# Altium PCB PCB1.PcbDoc
Units mil, origin at the board's own origin, x right, y up, seen from the top; angles counter-clockwise.
Board outline 2680 x 2185 mil, 2 copper layers (Top Layer, Bottom Layer); 16 components, 45 nets, 106 pads, 48 vias.
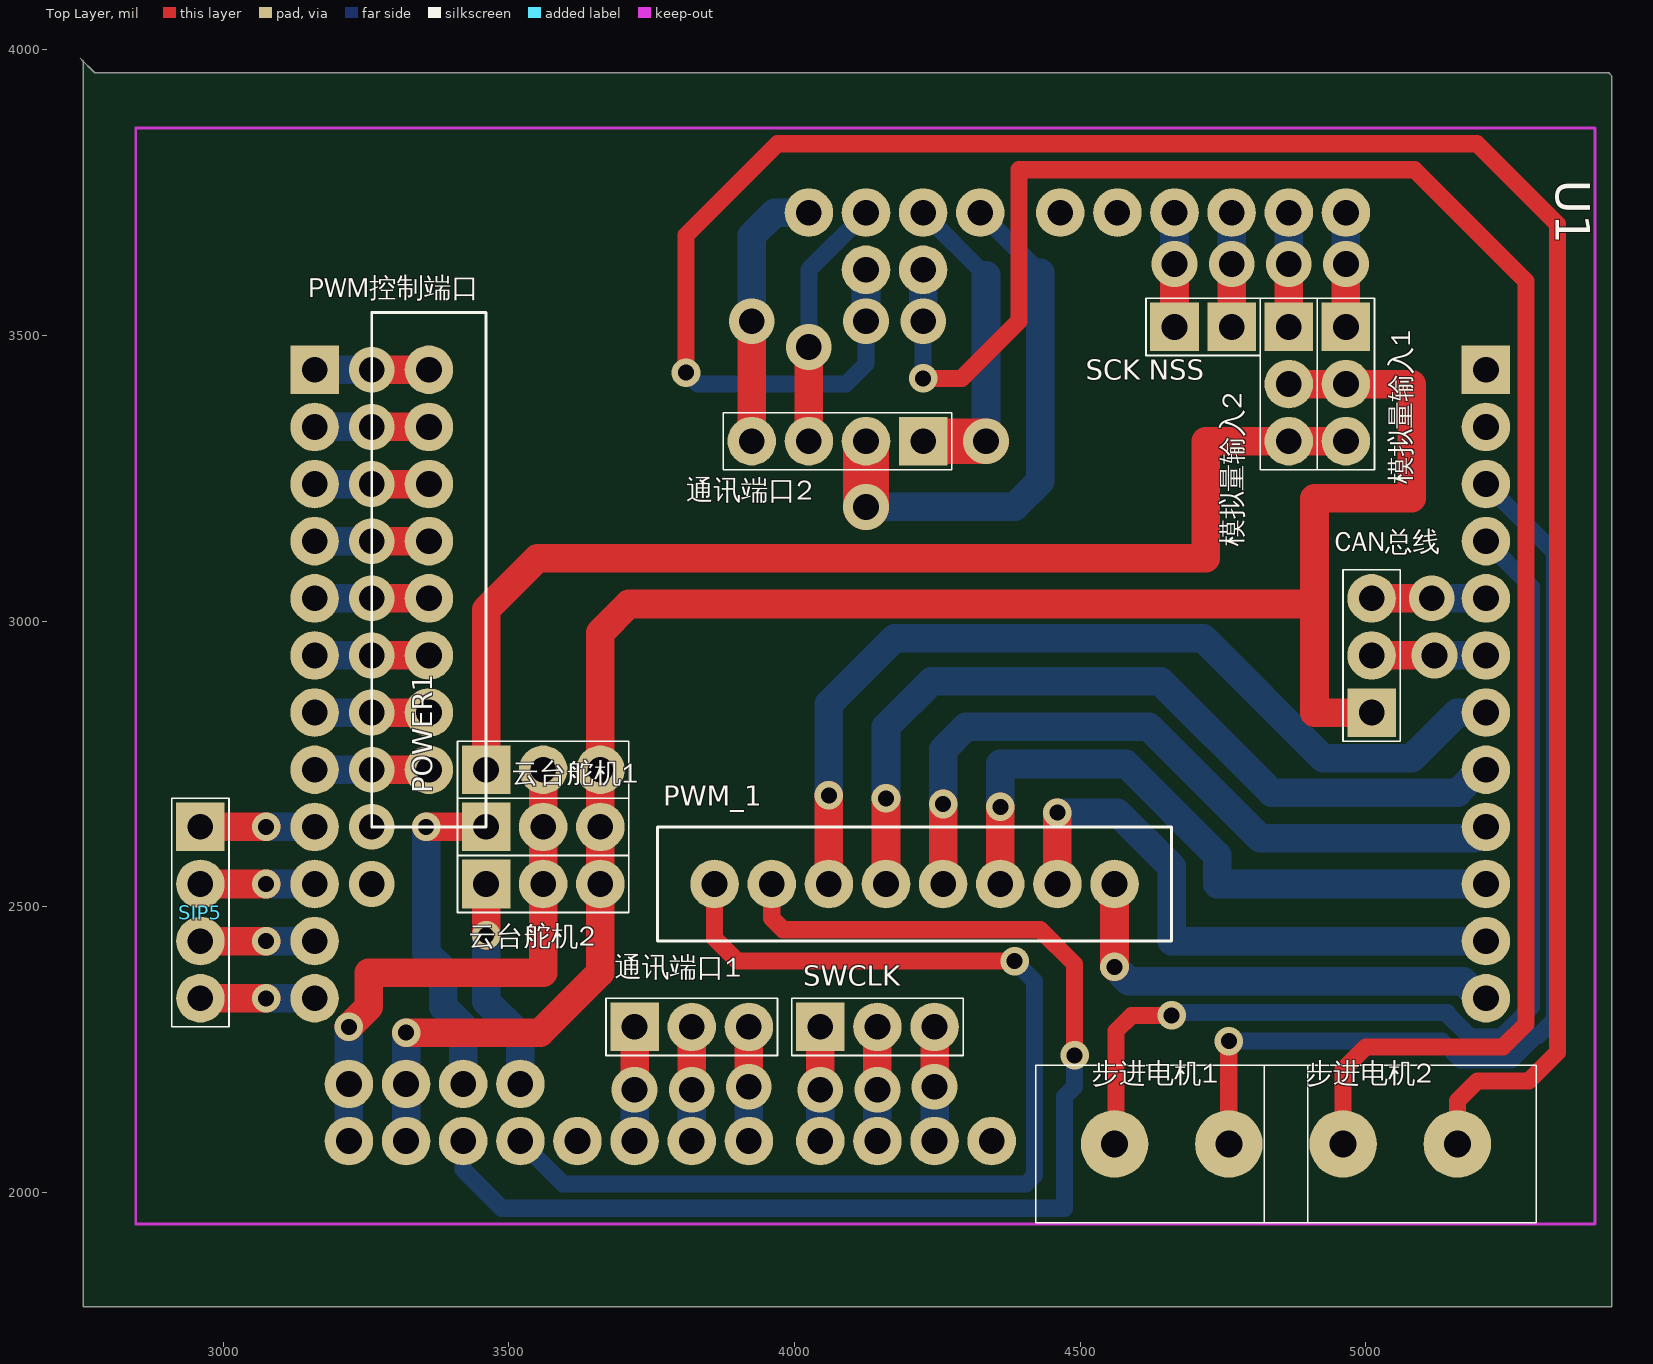
[diagram p0: Top Layer view]
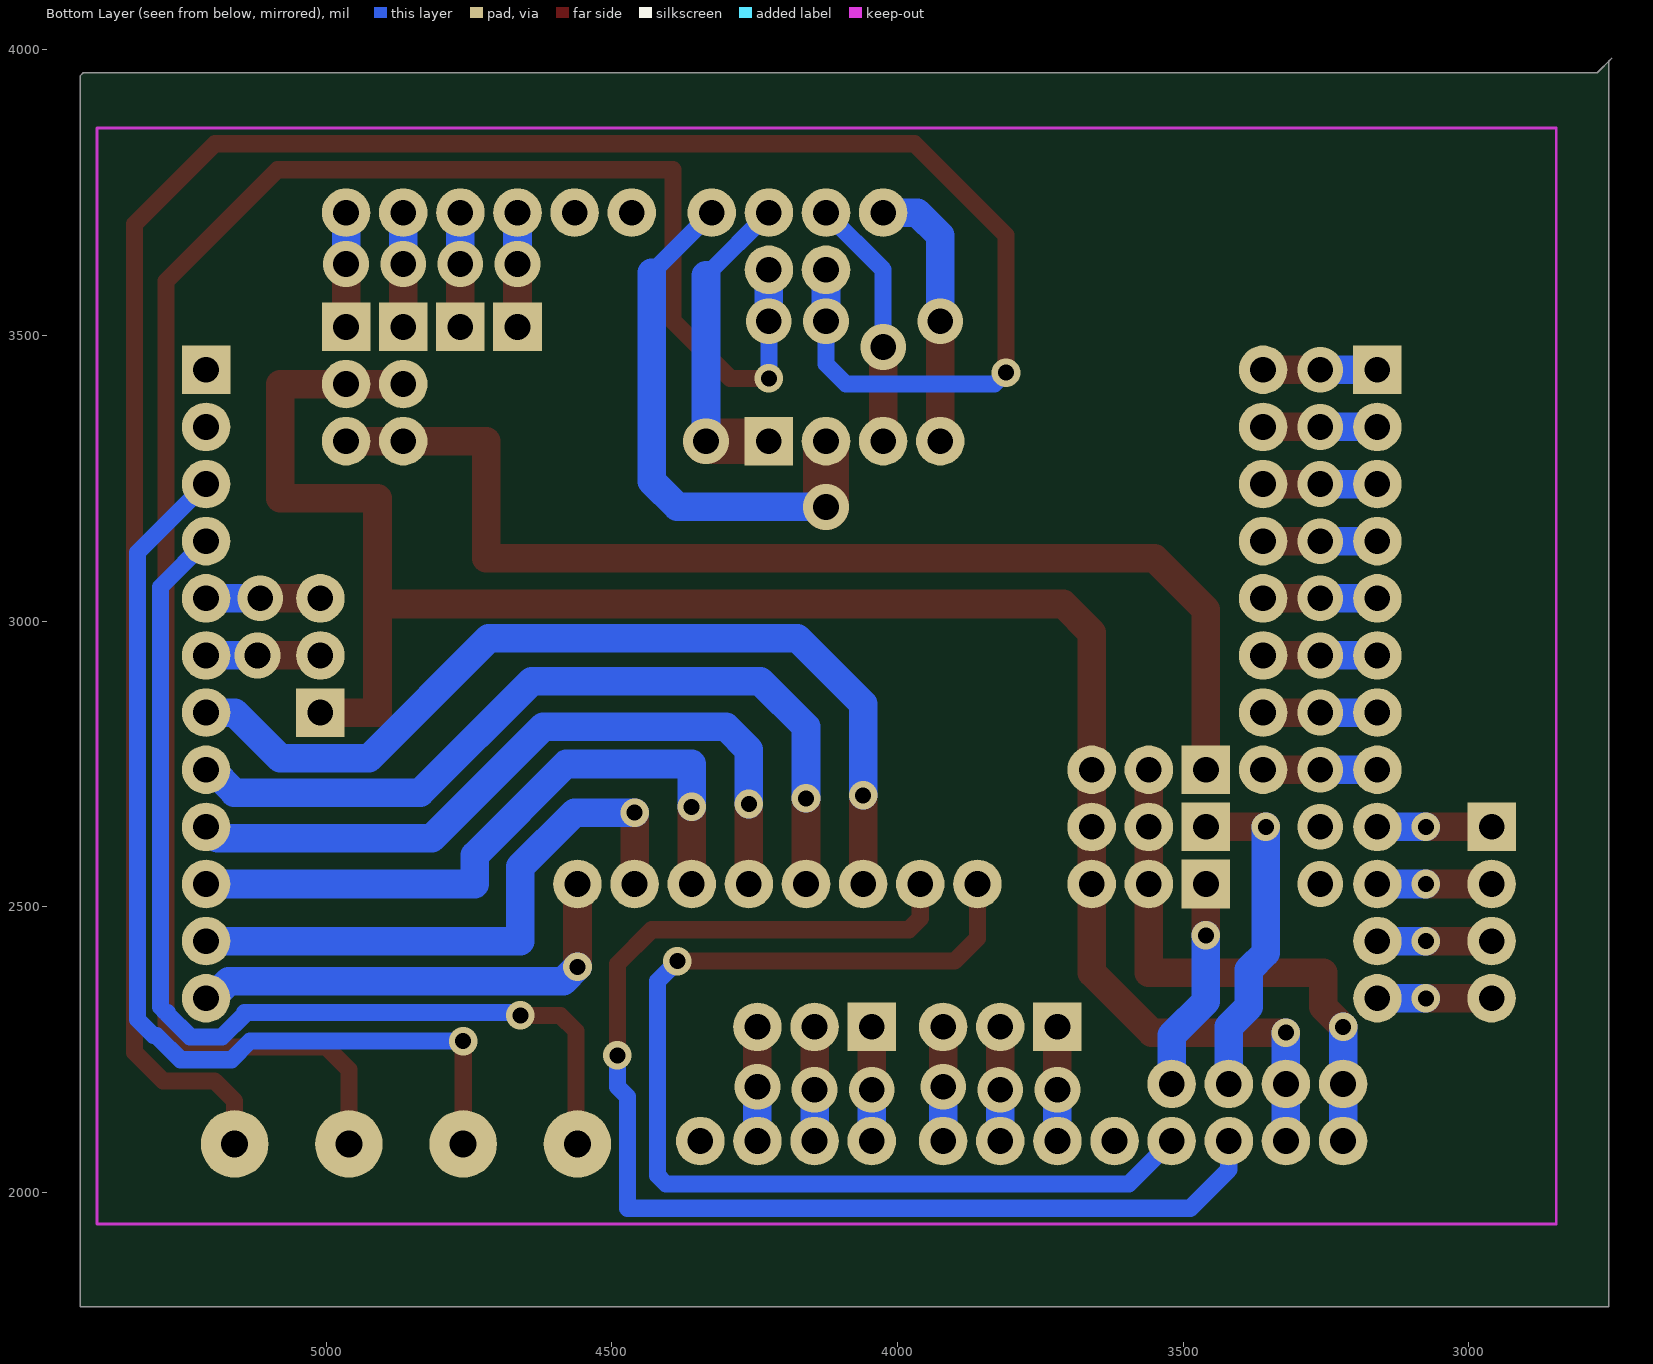
[diagram p1: Bottom Layer view, seen from below]

## Layer stack, top to bottom
Top Layer: signal copper 1.4
Dielectric: dielectric 12.6, FR-4, Dk 4.8
Bottom Layer: signal copper 1.4

## Board outline
2755,1800 5430,1800 5430,3955 5425,3960 2775,3960 2750,3985 2755,3980 2755,1800

## Design rules (kind name [scope] priority, off if disabled: settings)
Clearance [All] p1: gap=10
ComponentClearance [All] p1 off: gap=10 collisioncheckmode=3 verticalgap=10 showdistances=FALSE
PolygonConnect [All] p1: connectstyle=Relief reliefconductorwidth=10 reliefentries=4 polygonreliefangle="90 Angle"
RoutingVias [All] p1: holewidth=28 width=50 viastyle="Through Hole" minholewidth=28 minwidth=50 maxholewidth=28 maxwidth=50
SilkscreenOverComponentPads [All] p1: minsilkscreentomaskgap=10
SolderMaskExpansion [All] p1: expansion=4
Width [All] p1: maxlimit=100 minlimit=10 preferedwidth=30
26 further rules are at their usual default settings.

## Components (designator, comment, footprint, x,y, rotation, side; value= is the part's Value field where it differs from the comment)
CAN总线 "SIP3" SIP3 5010,2840 r180 top (schematic designator CAN)
POWER1 "SIP3" SIP3 3460,2740 r90 top
PWM_1 "SIP8" SIP8 3860,2540 r90 top
PWM控制端口 "PWM控制端口" SIP8 3360,3440 r0 top
"SCK NSS" "SIP2" SIP2 4765,3515 r180 top
SIP5 "SIP4" SIP4 2960,2640 r0 top
SWCLK "SIP3" SIP3 4045,2290 r90 top
U1 "------STM32F407------" -----STM32F407----- 3160,3440 r0 top
云台舵机1 "SIP3" SIP3 3460,2640 r90 top
云台舵机2 "SIP3" SIP3 3460,2540 r90 top
模拟量输入1 "SIP3" SIP3 4965,3515 r0 top
模拟量输入2 "SIP3" SIP3 4865,3515 r0 top
步进电机1 "SIP2" SIP2-3MM 4760,2085 r180 top
步进电机2 "SIP2" SIP2-3MM 5160,2085 r180 top
通讯端口1 "SIP3" SIP3 3720,2290 r90 top
通讯端口2 "SIP4" SIP4 4225,3315 r270 top

## Footprints (in the part's own frame and the unit in brackets; to place one, negate y for a bottom-side part, rotate by r counter-clockwise, add the part's x,y. Pads: shape width x height; smd on the part's side, far side on the other; paste and mask are expansions set on the pad)
-----STM32F407----- [mil]
  rect 85x85 hole 45: 1(2050,0) 13(0,0)
  round 85 hole 45: 2(2050,-100) 3(2050,-200) 4(2050,-300) 5(2050,-400) 6(2050,-500) 7(2050,-600) 8(2050,-700) 9(2050,-800) 10(2050,-900) 11(2050,-1000) 12(2050,-1100) 14(0,-100) 15(0,-200) 16(0,-300) 17(0,-400) 18(0,-500) 19(0,-600) 20(0,-700) 21(0,-800) 22(0,-900) 23(0,-1000) 24(0,-1100) 25(60,-1250) 26(160,-1250) 27(260,-1250) 28(360,-1250) 29(60,-1350) 30(160,-1350) 31(260,-1350) 32(360,-1350) 33(460,-1350) 34(560,-1350) 35(660,-1350) 36(760,-1350) 37(885,-1350) 38(985,-1350) 39(1085,-1350) 40(1185,-1350) 41(1805,275) 42(1705,275) 43(1605,275) 44(1505,275) 45(1405,275) 46(1305,275) 47(1165,275) 48(1065,275) 49(965,275) 50(865,275) 51(1065,175) 52(965,175)
  Keep-Out Layer lines w5: -313,-1495 2241,-1495 2241,423 3,423 -313,423 -313,-1495
SIP2 [mil]
  rect 85x85 hole 45: 1(0,0) 2(100,0)
  silkscreen extent -50,-50 150,50
SIP2-3MM [mm]
  round 3 hole 1.2: 1(0,0) 2(5.08,0)
  silkscreen extent -3.51,-3.51 8.59,3.51
SIP3 [mil]
  rect 85x85 hole 45: 1(0,0)
  round 85 hole 45: 2(0,-100) 3(0,-200)
  silkscreen extent -50,-250 50,50
SIP4 [mil]
  rect 85x85 hole 45: 1(0,0)
  round 85 hole 45: 2(0,-100) 3(0,-200) 4(0,-300)
  silkscreen extent -50,-350 50,50
SIP8 [mil]
  round 85 hole 45: 1(0,0) 2(0,-100) 3(0,-200) 4(0,-300) 5(0,-400) 6(0,-500) 7(0,-600) 8(0,-700)
  silkscreen extent -100,-800 100,100

## Part data
PWM控制端口: library part SIP8

## Via types
v1: diameter 80, hole 45, Top Layer to Bottom Layer, 28 vias
v2: diameter 50, hole 28, Top Layer to Bottom Layer, 20 vias

## Nets (pads, with @x,y where several pads share a name; then routed paths per layer and width w, separated by ;. In a path a pad name is that pad's centre, name@x,y a point inside that pad or via, vN(x,y) a via of type N, cw(c..) or ccw(c..) an arc to the next point about the centre after c; other vN are vias at no path point)
5V: POWER1.2 U1.25 U1.29 云台舵机1.2 云台舵机2.2 | length 969.5
  Top Layer w50: v2(3220,2290) 3255,2325 3255,2385 3560,2385 云台舵机2.2 云台舵机1.2 POWER1.2
  Bottom Layer w50: U1.29 U1.25 v2(3220,2290)
9V: POWER1.1 模拟量输入1.3 模拟量输入2.3 | length 2027.3
  Top Layer w50: POWER1.1 3460,3020 3550,3110 4720,3110 4720,3315 模拟量输入2.3 模拟量输入1.3
GND: CAN总线.1 POWER1.3 U1.26 U1.30 云台舵机1.3 云台舵机2.3 模拟量输入1.2 模拟量输入2.2 | length 3508.8
  Top Layer w50: v2(3320,2280) 3555,2280 3660,2385 云台舵机2.3 云台舵机1.3 POWER1.3 3660,2980 3710,3030 4910,3030 ; 模拟量输入2.2 模拟量输入1.2 5080,3415 5080,3215 4910,3215 4910,3030 ; CAN总线.1 4910,2840 4910,3030
  Bottom Layer w50: U1.30@3320,2080.4 U1.30 U1.26 v2(3320,2280)
NetCAN总线_2: CAN总线.2 U1.6 | length 200
  Top Layer w50: CAN总线.2 v1(5120,2940)
  Bottom Layer w50: v1(5120,2940) U1.6
NetCAN总线_3: CAN总线.3 U1.5 | length 200
  Top Layer w50: CAN总线.3 v1(5115,3040)
  Bottom Layer w50: v1(5115,3040) U1.5
NetPWM_1_1: PWM_1.1 U1.32 | length 1963.3
  Top Layer w30: PWM_1.1 3860,2445 3900,2405 v2(4385,2405)
  Bottom Layer w30: U1.32 3595,2015 4405,2015 4420,2030 4420,2370 v2(4385,2405)
NetPWM_1_2: PWM_1.2 U1.31 | length 2188.3
  Top Layer w30: PWM_1.2 3960,2480 3980,2460 4430,2460 4490,2400 v2(4490,2240)
  Bottom Layer w30: U1.31 3420,2040 3487.5,1972.5 4472.5,1972.5 4472.5,2167.5 4490,2185 v2(4490,2240)
NetPWM_1_3: PWM_1.3 U1.7 | length 1632.8
  Top Layer w50: PWM_1.3 v2(4060,2695)
  Bottom Layer w50: v2(4060,2695) 4060,2855 4175,2970 4715,2970 4925,2760 5080,2760 5160,2840 U1.7
NetPWM_1_4: PWM_1.4 U1.8 | length 1455.5
  Top Layer w50: PWM_1.4 v2(4160,2690)
  Bottom Layer w50: v2(4160,2690) 4160,2815 4240,2895 4640,2895 4835,2700 5160.4,2700 5200.4,2740 U1.8
NetPWM_1_5: PWM_1.5 U1.9 | length 1290.6
  Top Layer w50: PWM_1.5 v2(4260,2680)
  Bottom Layer w50: v2(4260,2680) 4260,2775 4300,2815 4620,2815 4815,2620 5190,2620 U1.9
NetPWM_1_6: PWM_1.6 U1.10 | length 1176.3
  Top Layer w50: PWM_1.6 v2(4360,2675)
  Bottom Layer w50: v2(4360,2675) 4360,2750 4580,2750 4740,2590 4740,2540 U1.10
NetPWM_1_7: PWM_1.7 U1.11 | length 1044.4
  Top Layer w50: PWM_1.7 v2(4460,2665)
  Bottom Layer w50: v2(4460,2665) 4565,2665 4660,2570 4660,2440 U1.11
NetPWM_1_8: PWM_1.8 U1.12 | length 832.8
  Top Layer w50: v2(4560,2395) PWM_1.8
  Bottom Layer w50: v2(4560,2395) 4585,2370 5170.4,2370 5200.4,2340 U1.12 U1.12@5195,2340
NetPWM控制端口_1: PWM控制端口.1 U1.13 | length 200
  Top Layer w50: v1(3260,3440) PWM控制端口.1
  Bottom Layer w50: U1.13 v1(3260,3440)
NetPWM控制端口_2: PWM控制端口.2 U1.14 | length 200
  Top Layer w50: v1(3260,3340) PWM控制端口.2
  Bottom Layer w50: U1.14 v1(3260,3340)
NetPWM控制端口_3: PWM控制端口.3 U1.15 | length 200
  Top Layer w50: v1(3260,3240) PWM控制端口.3
  Bottom Layer w50: U1.15 v1(3260,3240)
NetPWM控制端口_4: PWM控制端口.4 U1.16 | length 200
  Top Layer w50: v1(3260,3140) PWM控制端口.4
  Bottom Layer w50: U1.16 v1(3260,3140)
NetPWM控制端口_5: PWM控制端口.5 U1.17 | length 200
  Top Layer w50: v1(3260,3040) PWM控制端口.5
  Bottom Layer w50: U1.17 v1(3260,3040)
NetPWM控制端口_6: PWM控制端口.6 U1.18 | length 200
  Top Layer w50: v1(3260,2940) PWM控制端口.6
  Bottom Layer w50: U1.18 v1(3260,2940)
NetPWM控制端口_7: PWM控制端口.7 U1.19 | length 200
  Top Layer w50: v1(3260,2840) PWM控制端口.7
  Bottom Layer w50: U1.19 v1(3260,2840)
NetPWM控制端口_8: PWM控制端口.8 U1.20 | length 200
  Top Layer w50: v1(3260,2740) PWM控制端口.8
  Bottom Layer w50: U1.20 v1(3260,2740)
"NetSCK NSS_1": "SCK NSS.1" U1.43 | length 200
  Top Layer w50: 4765,3515 v1(4765,3625)
  Bottom Layer w50: v1(4765,3625) U1.43
"NetSCK NSS_2": "SCK NSS.2" U1.44 | length 200
  Top Layer w50: 4665,3515 v1(4665,3625)
  Bottom Layer w50: v1(4665,3625) U1.44
NetSIP5_1: SIP5.1 U1.21 | length 200
  Top Layer w50: SIP5.1 v2(3075,2640)
  Bottom Layer w50: v2(3075,2640) U1.21
NetSIP5_2: SIP5.2 U1.22 | length 200
  Top Layer w50: SIP5.2 v2(3075,2540)
  Bottom Layer w50: v2(3075,2540) U1.22
NetSIP5_3: SIP5.3 U1.23 | length 200
  Top Layer w50: SIP5.3 v2(3075,2440)
  Bottom Layer w50: v2(3075,2440) U1.23
NetSIP5_4: SIP5.4 U1.24 | length 200
  Top Layer w50: SIP5.4 v2(3075,2340)
  Bottom Layer w50: v2(3075,2340) U1.24
NetSWCLK_1: SWCLK.1 U1.37 | length 200
  Top Layer w50: v1(4045,2180) SWCLK.1
  Bottom Layer w50: U1.37 v1(4045,2180)
NetSWCLK_2: SWCLK.2 U1.38 | length 200
  Top Layer w50: v1(4145,2180) SWCLK.2
  Bottom Layer w50: U1.38 v1(4145,2180)
NetSWCLK_3: SWCLK.3 U1.39 | length 200
  Top Layer w50: v1(4245,2185) SWCLK.3
  Bottom Layer w50: U1.39 v1(4245,2185)
NetU1_3: U1.3 步进电机1.1 | length 1779.4
  Top Layer w30: 步进电机1.1 v2(4760,2265)
  Bottom Layer w30: v2(4760,2265) 5132.97,2265 5165.47,2232.5 5254.53,2232.5 5297.03,2275 5302.03,2275 5330,2302.97 5330,3120 U1.3
NetU1_4: U1.4 步进电机1.2 | length 1830.7
  Top Layer w30: 步进电机1.2 4562.5,2087.5 4562.5,2282.5 4590,2310 v2(4660,2310)
  Bottom Layer w30: v2(4660,2310) 4665,2315 5142.5,2315 5142.5,2312.04 5182.04,2272.5 5237.96,2272.5 5277.5,2312.04 5277.5,2315 5280.46,2315 5290,2324.54 5290,3060 U1.4
NetU1_27: U1.27 云台舵机1.1 | length 581.9
  Top Layer w50: v2(3355,2640) 云台舵机1.1
  Bottom Layer w50: v2(3355,2640) 3355,2420 3385,2390 3385,2325.15 3420,2290.15 U1.27
NetU1_28: U1.28 云台舵机2.1 | length 374.9
  Top Layer w50: v2(3460,2450) 云台舵机2.1
  Bottom Layer w50: v2(3460,2450) 3460,2335 3520,2275 U1.28
NetU1_34: U1.34 通讯端口1.1 | length 200
  Top Layer w50: v1(3720,2180) 通讯端口1.1
  Bottom Layer w50: U1.34 v1(3720,2180)
NetU1_35: U1.35 通讯端口1.2 | length 200
  Top Layer w50: v1(3820,2180) 通讯端口1.2
  Bottom Layer w50: U1.35 v1(3820,2180)
NetU1_36: U1.36 通讯端口1.3 | length 200
  Top Layer w50: v1(3920,2185) 通讯端口1.3
  Bottom Layer w50: U1.36 v1(3920,2185)
NetU1_41: U1.41 模拟量输入1.1 | length 200
  Top Layer w50: 模拟量输入1.1 v1(4965,3625)
  Bottom Layer w50: v1(4965,3625) U1.41
NetU1_42: U1.42 模拟量输入2.1 | length 200
  Top Layer w50: 模拟量输入2.1 v1(4865,3625)
  Bottom Layer w50: v1(4865,3625) U1.42
NetU1_47: U1.47 通讯端口2.2 | length 952.1
  Top Layer w80: v1(4125,3200) 通讯端口2.2
  Bottom Layer w30: U1.47 4430,3610
  Bottom Layer w50: v1(4125,3200) 4385,3200 4430,3245 4430,3610
NetU1_48: U1.48 通讯端口2.1 | length 555.6
  Top Layer w80: 通讯端口2.1 v1(4335,3315)
  Bottom Layer w30: U1.48 4335,3605
  Bottom Layer w50: v1(4335,3315) 4335,3605
NetU1_49: U1.49 通讯端口2.3 | length 441.4
  Top Layer w50: 通讯端口2.3 v1(4025,3480)
  Bottom Layer w30: v1(4025,3480) 4025,3615 U1.49
NetU1_50: U1.50 通讯端口2.4 | length 481.6
  Top Layer w50: 通讯端口2.4 v1(3925,3525)
  Bottom Layer w50: v1@3925,3520 v1(3925,3525) 3925,3675 3965,3715 U1.50
NetU1_51: U1.51 步进电机2.2 | length 3415.3
  Top Layer w30: v2(4225,3425) 4292.5,3425 4392.5,3525 4392.5,3790 5085,3790 5280,3595 5280,2295 5240,2255 5000,2255 4960,2215 步进电机2.2
  Bottom Layer w30: v2(4225,3425) v1(4225,3525)
  Bottom Layer w50: v1(4225,3525) U1.51
NetU1_52: U1.52 步进电机2.1 | length 4133.4
  Top Layer w30: v2(3810,3435) 3810,3675.5 3970,3835.5 5194.5,3835.5 5335,3695 5335,2245 5285,2195 5195,2195 5160,2160 步进电机2.1 ; v1@4119.54,3525 v1(4125,3525)
  Bottom Layer w30: v2(3810,3435) 3830,3415 4090,3415 4125,3450 v1(4125,3525)
  Bottom Layer w50: v1(4125,3525) U1.52
pads on no net: U1.1 U1.2 U1.33 U1.40 U1.45 U1.46
copper on no net:
  other v1: 3260,2540 3260,2640